# KiCad board [DFR1144][M027.00940](V1.0.0).kicad_pcb (continued)
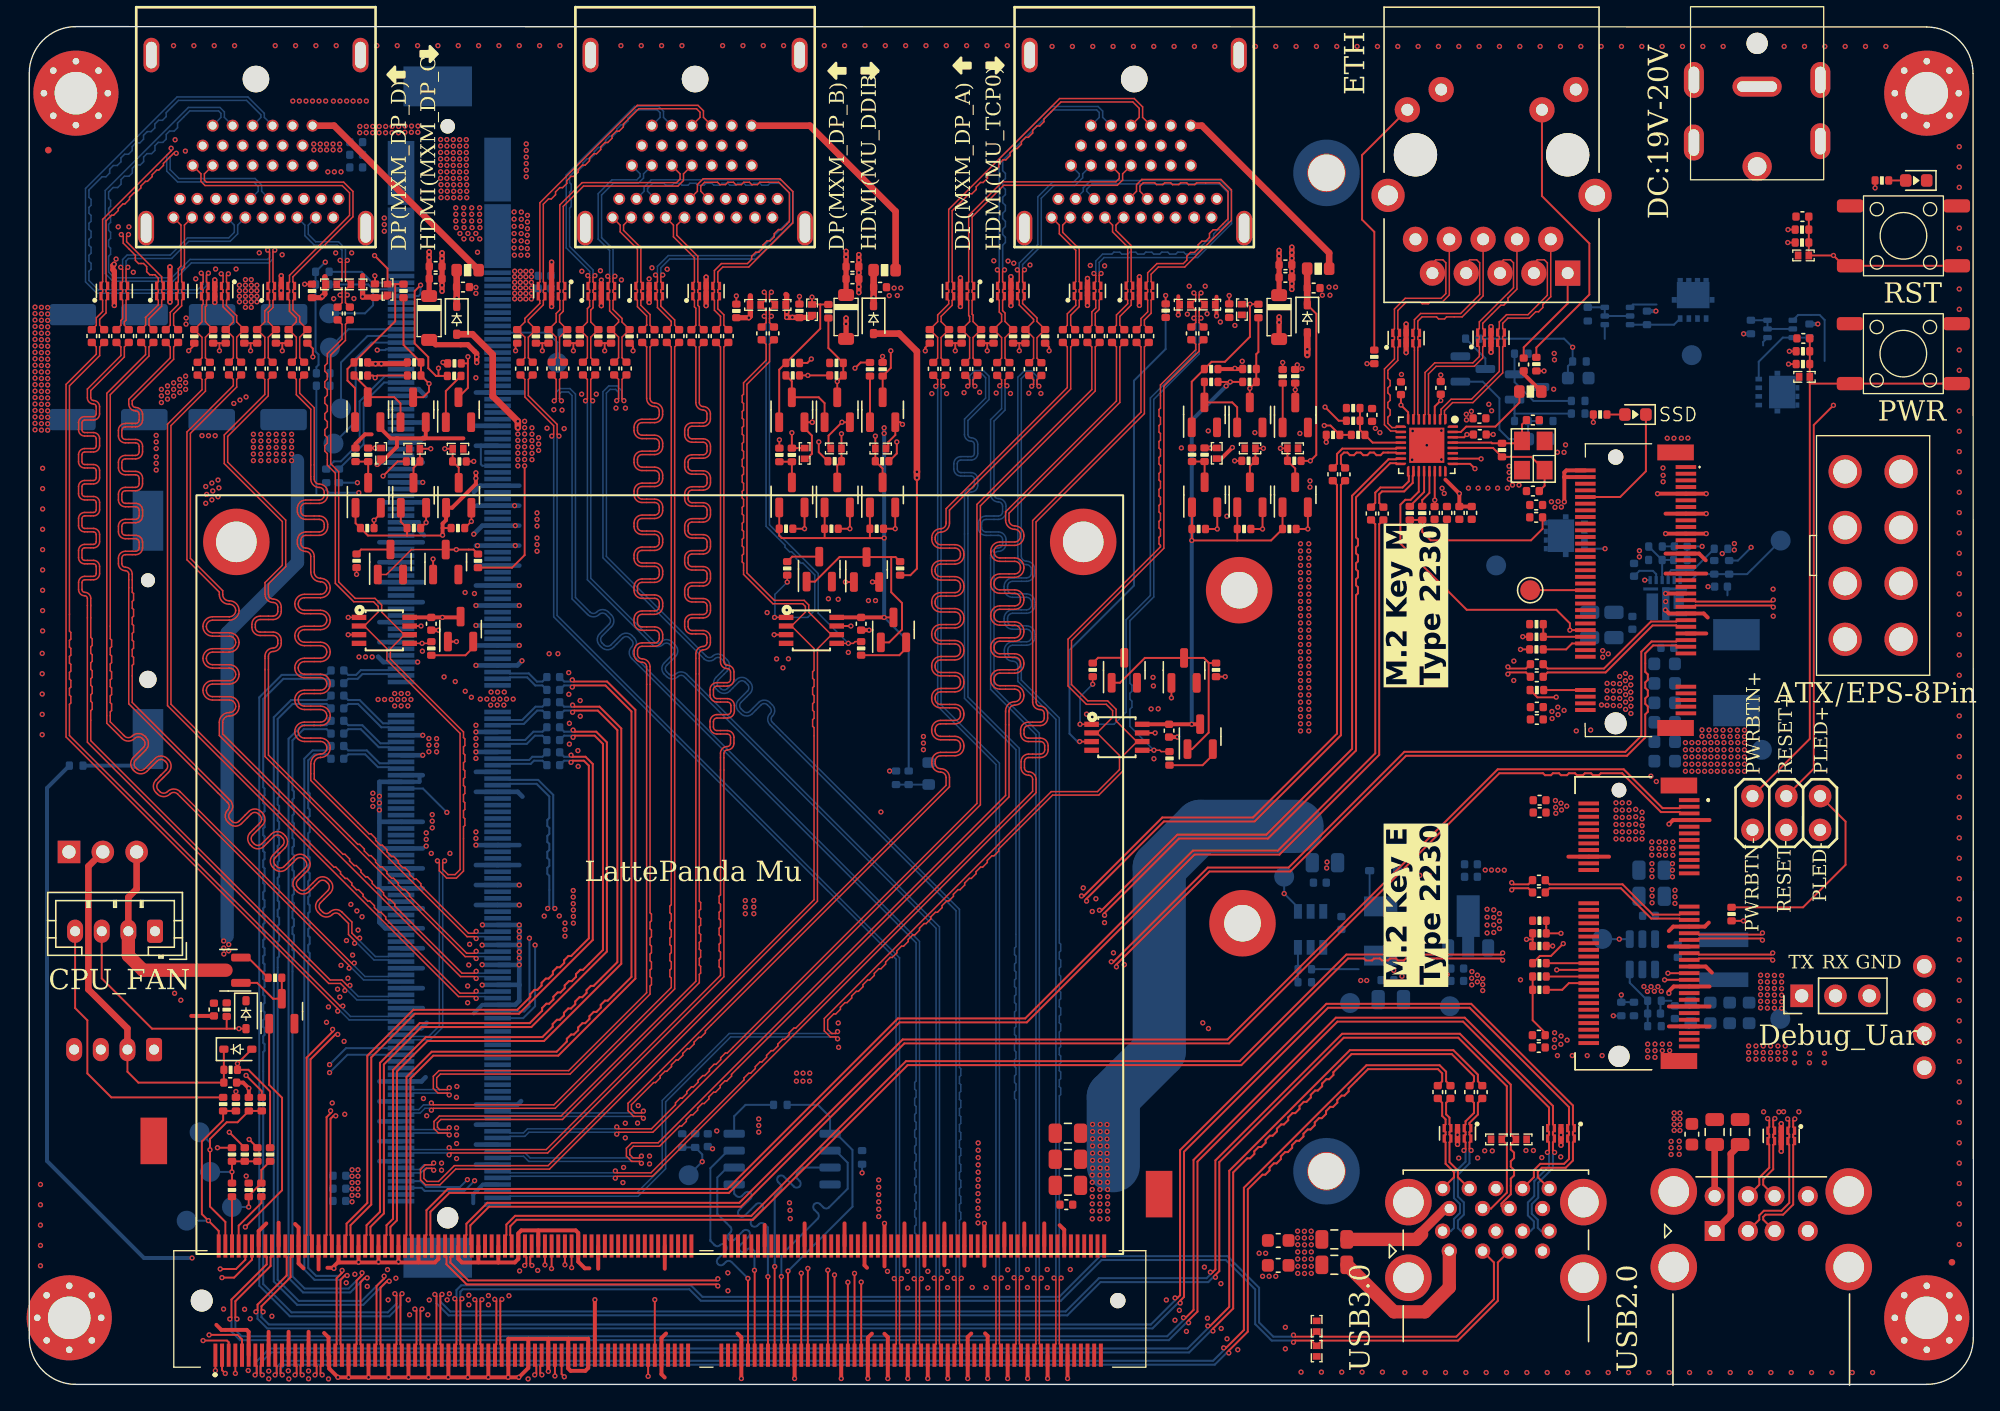
[diagram p0: board, top side]
## Footprints (pads in the part's own frame, mm; a bottom-side part is the same pattern mirrored in y, then rotated) (continued)
MXM
  round 1.6 hole 1.6 unplated: (77.22,-28.36)
  round 1.092 hole 1.092 unplated: (77.22,53.64)
  rect 2x0.35 smd: 1(73.47,42.64) 2(80.72,42.39) 3(73.47,42.14) 4(80.72,41.89) 5(73.47,41.64) 6(80.72,41.39) 7(73.47,41.14) 8(80.72,40.89) 9(73.47,40.64) 10(80.72,40.39) 11(73.47,40.14) 12(80.72,39.89) 13(73.47,39.64) 14(80.72,39.39) 15(73.47,39.14) 16(80.72,38.89) 17(73.47,38.64) 18(80.72,38.39) 19(73.47,38.14) 20(80.72,37.89) 21(73.47,37.64) 22(80.72,37.39) 23(73.47,37.14) 24(80.72,36.89) 25(73.47,36.64) 26(80.72,36.39) 27(73.47,36.14) 28(80.72,35.89) 29(73.47,35.64) 30(80.72,35.39) 31(73.47,35.14) 32(80.72,34.89) 33(73.47,34.64) 34(80.72,34.39) 35(73.47,34.14) 36(80.72,33.89) 37(73.47,33.64) 38(80.72,33.39) 39(73.47,33.14) 40(80.72,32.89) 41(73.47,32.64) 42(80.72,32.39) 43(73.47,32.14) 44(80.72,31.89) 45(73.47,31.64) 46(80.72,31.39) 47(73.47,31.14) 48(80.72,30.89) 49(73.47,30.64) 50(80.72,30.39) 51(73.47,30.14) 52(80.72,29.89) 53(73.47,29.64) 54(80.72,29.39) 55(73.47,29.14) 56(80.72,28.89) 57(73.47,28.64) 58(80.72,28.39) 59(73.47,28.14) 60(80.72,27.89) 61(73.47,27.64) 62(80.72,27.39) 63(73.47,27.14) 64(80.72,26.89) 65(73.47,26.64) 66(80.72,26.39) 67(73.47,26.14) 68(80.72,25.89) 69(73.47,25.64) 70(80.72,25.39) 71(73.47,25.14) 72(80.72,24.89) 73(73.47,24.64) 74(80.72,24.39) 75(73.47,24.14) 76(80.72,23.89) 77(73.47,23.64) 78(80.72,23.39) 79(73.47,23.14) 80(80.72,22.89) 81(73.47,22.64) 82(80.72,22.39) 83(73.47,22.14) 84(80.72,21.89) 85(73.47,21.64) 86(80.72,21.39) 87(73.47,21.14) 88(80.72,20.89) 89(73.47,20.64) 90(80.72,20.39) 91(73.47,20.14) 92(80.72,19.89) 93(73.47,19.64) 94(80.72,19.39) 95(73.47,19.14) 96(80.72,18.89) 97(73.47,18.64) 98(80.72,18.39) 99(73.47,18.14) 100(80.72,17.89) 101(73.47,17.64) 102(80.72,17.39) 103(73.47,17.14) 104(80.72,16.89) 105(73.47,16.64) 106(80.72,16.39) 107(73.47,16.14) 108(80.72,15.89) 109(73.47,15.64) 110(80.72,15.39) 111(73.47,15.14) 112(80.72,14.89) 113(73.47,14.64) 114(80.72,14.39) 115(73.47,14.14) 116(80.72,13.89) 117(73.47,13.64) 118(80.72,13.39) 119(73.47,13.14) 120(80.72,12.89) 121(73.47,12.64) 122(80.72,12.39) 123(73.47,12.14) 124(80.72,11.89) 125(73.47,11.64) 133(73.47,9.64) 134(80.72,9.39) 135(73.47,9.14) 136(80.72,8.89) 137(73.47,8.64) 138(80.72,8.39) 139(73.47,8.14) 140(80.72,7.89) 141(73.47,7.64) 142(80.72,7.39) 143(73.47,7.14) 144(80.72,6.89) 145(73.47,6.64) 146(80.72,6.39) 147(73.47,6.14) 148(80.72,5.89) 149(73.47,5.64) 150(80.72,5.39) 151(73.47,5.14) 152(80.72,4.89) 153(73.47,4.64) 154(80.72,4.39) 155(73.47,4.14) 156(80.72,3.89) 157(73.47,3.64) 158(80.72,3.39) 159(73.47,3.14) 160(80.72,2.89) 161(73.47,2.64) 162(80.72,2.39) 163(73.47,2.14) 164(80.72,1.89) 165(73.47,1.64) 166(80.72,1.39) 167(73.47,1.14) 168(80.72,0.89) 169(73.47,0.64) 170(80.72,0.39) 171(73.47,0.14) 172(80.72,-0.11) 173(73.47,-0.36) 174(80.72,-0.61) 175(73.47,-0.86) 176(80.72,-1.11) 177(73.47,-1.36) 178(80.72,-1.61) 179(73.47,-1.86) 180(80.72,-2.11) 181(73.47,-2.36) 182(80.72,-2.61) 183(73.47,-2.86) 184(80.72,-3.11) 185(73.47,-3.36) 186(80.72,-3.61) 187(73.47,-3.86) 188(80.72,-4.11) 189(73.47,-4.36) 190(80.72,-4.61) 191(73.47,-4.86) 192(80.72,-5.11) 193(73.47,-5.36) 194(80.72,-5.61) 195(73.47,-5.86) 196(80.72,-6.11) 197(73.47,-6.36) 198(80.72,-6.61) 199(73.47,-6.86) 200(80.72,-7.11) 201(73.47,-7.36) 202(80.72,-7.61) 203(73.47,-7.86) 204(80.72,-8.11) 205(73.47,-8.36) 206(80.72,-8.61) 207(73.47,-8.86) 208(80.72,-9.11) 209(73.47,-9.36) 210(80.72,-9.61) 211(73.47,-9.86) 212(80.72,-10.11) 213(73.47,-10.36) 214(80.72,-10.61) 215(73.47,-10.86) 216(80.72,-11.11) 217(73.47,-11.36) 218(80.72,-11.61) 219(73.47,-11.86) 220(80.72,-12.11) 221(73.47,-12.36) 222(80.72,-12.61) 223(73.47,-12.86) 224(80.72,-13.11) 225(73.47,-13.36) 226(80.72,-13.61) 227(73.47,-13.86) 228(80.72,-14.11) 229(73.47,-14.36) 230(80.72,-14.61) 231(73.47,-14.86) 232(80.72,-15.11) 233(73.47,-15.36) 234(80.72,-15.61) 235(73.47,-15.86) 236(80.72,-16.11) 237(73.47,-16.36) 238(80.72,-16.61) 239(73.47,-16.86) 240(80.72,-17.11) 241(73.47,-17.36) 242(80.72,-17.61) 243(73.47,-17.86) 244(80.72,-18.11) 245(73.47,-18.36) 246(80.72,-18.61) 247(73.47,-18.86) 248(80.72,-19.11) 249(73.47,-19.36) 250(80.72,-19.61) 251(73.47,-19.86) 252(80.72,-20.11) 253(73.47,-20.36) 254(80.72,-20.61) 255(73.47,-20.86) 256(80.72,-21.11) 257(73.47,-21.36) 258(80.72,-21.61) 259(73.47,-21.86) 260(80.72,-22.11) 261(73.47,-22.36) 262(80.72,-22.61) 263(73.47,-22.86) 264(80.72,-23.11) 265(73.47,-23.36) 266(80.72,-23.61) 267(73.47,-23.86) 268(80.72,-24.11) 269(73.47,-24.36) 270(80.72,-24.61) 271(73.47,-24.86) 272(80.72,-25.11) 273(73.47,-25.36) 274(80.72,-25.61) 275(73.47,-25.86) 276(80.72,-26.11) 277(73.47,-26.36) 278(80.72,-26.61) 279(73.47,-26.86) 280(80.72,-27.11) 281(73.47,-27.36)
  rect 2x4.8 smd: E1(73.47,50.39) E2(80.72,50.14) E3(73.47,45.39) E4(80.72,45.14)
  rect 5.15x3 smd: SH(77.97,-31.36) SH(77.97,56.64)
PCIe_M.2_Connectors_P=0.5mm_H=4.2mm_KeyE
  round 1.1 hole 1.1 unplated: (-0.75,-5.275)
  round 1.6 hole 1.6 unplated: (19.25,-5.275)
  rect 0.3x1.55 smd: 1(0,0) 2(0.25,-7.55) 3(0.5,0) 4(0.75,-7.55) 5(1,0) 6(1.25,-7.55) 7(1.5,0) 8(1.75,-7.55) 9(2,0) 10(2.25,-7.55) 11(2.5,0) 12(2.75,-7.55) 13(3,0) 14(3.25,-7.55) 15(3.5,0) 16(3.75,-7.55) 17(4,0) 18(4.25,-7.55) 19(4.5,0) 20(4.75,-7.55) 21(5,0) 22(5.25,-7.55) 23(5.5,0) 32(7.75,-7.55) 33(8,0) 34(8.25,-7.55) 35(8.5,0) 36(8.75,-7.55) 37(9,0) 38(9.25,-7.55) 39(9.5,0) 40(9.75,-7.55) 41(10,0) 42(10.25,-7.55) 43(10.5,0) 44(10.75,-7.55) 45(11,0) 46(11.25,-7.55) 47(11.5,0) 48(11.75,-7.55) 49(12,0) 50(12.25,-7.55) 51(12.5,0) 52(12.75,-7.55) 53(13,0) 54(13.25,-7.55) 55(13.5,0) 56(13.75,-7.55) 57(14,0) 58(14.25,-7.55) 59(14.5,0) 60(14.75,-7.55) 61(15,0) 62(15.25,-7.55) 63(15.5,0) 64(15.75,-7.55) 65(16,0) 66(16.25,-7.55) 67(16.5,0) 68(16.75,-7.55) 69(17,0) 70(17.25,-7.55) 71(17.5,0) 72(17.75,-7.55) 73(18,0) 74(18.25,-7.55) 75(18.5,0)
  rect 1.2x2.75 smd: MP1(-1.1,-0.775) MP2(19.6,-0.775)
PCIe_M.2_Connectors_P=0.5mm_H=4.2mm_KeyM
  round 1.15 hole 1.15 unplated: (-10,-1.7)
  round 1.65 hole 1.65 unplated: (10,-1.7)
  rect 0.3x1.55 smd: 1(-9.25,3.575) 2(-9,-3.975) 3(-8.75,3.575) 4(-8.5,-3.975) 5(-8.25,3.575) 6(-8,-3.975) 7(-7.75,3.575) 8(-7.5,-3.975) 9(-7.25,3.575) 10(-7,-3.975) 11(-6.75,3.575) 12(-6.5,-3.975) 13(-6.25,3.575) 14(-6,-3.975) 15(-5.75,3.575) 16(-5.5,-3.975) 17(-5.25,3.575) 18(-5,-3.975) 19(-4.75,3.575) 20(-4.5,-3.975) 21(-4.25,3.575) 22(-4,-3.975) 23(-3.75,3.575) 24(-3.5,-3.975) 25(-3.25,3.575) 26(-3,-3.975) 27(-2.75,3.575) 28(-2.5,-3.975) 29(-2.25,3.575) 30(-2,-3.975) 31(-1.75,3.575) 32(-1.5,-3.975) 33(-1.25,3.575) 34(-1,-3.975) 35(-0.75,3.575) 36(-0.5,-3.975) 37(-0.25,3.575) 38(0,-3.975) 39(0.25,3.575) 40(0.5,-3.975) 41(0.75,3.575) 42(1,-3.975) 43(1.25,3.575) 44(1.5,-3.975) 45(1.75,3.575) 46(2,-3.975) 47(2.25,3.575) 48(2.5,-3.975) 49(2.75,3.575) 50(3,-3.975) 51(3.25,3.575) 52(3.5,-3.975) 53(3.75,3.575) 54(4,-3.975) 55(4.25,3.575) 56(4.5,-3.975) 57(4.75,3.575) 58(5,-3.975) 67(7.25,3.575) 68(7.5,-3.975) 69(7.75,3.575) 70(8,-3.975) 71(8.25,3.575) 72(8.5,-3.975) 73(8.75,3.575) 74(9,-3.975) 75(9.25,3.575)
  rect 1.2x2.75 smd: MP1(-10.35,2.8) MP2(10.35,2.8)
PinHeader_1x03_P2.54mm_Vertical
  rect 1.7x1.7 hole 1: 1(0,0)
  oval 1.7x1.7 hole 1: 2(0,-2.54) 3(0,-5.08)
QFN-10_L3.0-W3.0-P0.45-TL_SILERGY
  rect 0.25x0.6 smd: 1(-1.125,1.3) 2(-0.675,1.3) 3(-0.225,1.3) 4(0.225,1.3) 5(0.675,1.3) 6(1.125,1.3)
  rect 1.12x0.225 smd: 7(1.088,0.637)
  rect 0.87x2 smd: 8(0.963,-0.7)
  rect 1.88x0.225 smd: 9(-0.712,0.637)
  rect 1.88x0.25 smd: 9(-0.708,-1.3)
  rect 0.555x2.45 smd: 9(-0.049,-0.475)
  rect 0.775x1.15 smd: 10(-1.015,-0.3)
QFN-32-1EP_4x4mm_P0.4mm_EP2.65x2.65mm
  rrect 1.07x1.07 smd: (-0.66,0.66) (-0.66,-0.66) (0.66,0.66) (0.66,-0.66)
  custom 0.129x0.129 smd: 1(-1.95,1.4) 8(-1.95,-1.4) 9(-1.4,-1.95) 16(1.4,-1.95) 17(1.95,-1.4) 24(1.95,1.4) 25(1.4,1.95) 32(-1.4,1.95)
  rrect 0.8x0.2 smd: 2(-1.95,1) 3(-1.95,0.6) 4(-1.95,0.2) 5(-1.95,-0.2) 6(-1.95,-0.6) 7(-1.95,-1) 18(1.95,-1) 19(1.95,-0.6) 20(1.95,-0.2) 21(1.95,0.2) 22(1.95,0.6) 23(1.95,1)
  rrect 0.2x0.8 smd: 10(-1,-1.95) 11(-0.6,-1.95) 12(-0.2,-1.95) 13(0.2,-1.95) 14(0.6,-1.95) 15(1,-1.95) 26(1,1.95) 27(0.6,1.95) 28(0.2,1.95) 29(-0.2,1.95) 30(-0.6,1.95) 31(-1,1.95)
  rect 2.65x2.65 smd: 33(0,0)
R_0402_1005Metric
  rrect 0.54x0.64 smd: 1(-0.51,0) 2(0.51,0)
R_0603_1608Metric
  rrect 0.8x0.95 smd: 1(-0.825,0) 2(0.825,0)
RJ45_UDE_RB1-125B8G1A
  round 3.25 hole 3.25 unplated: (0,-8.89) (11.43,-8.89)
  round 1.9 hole 0.9: L1(12.04,-12.27) L2(9.5,-13.79) L3(1.93,-12.27) L4(-0.61,-13.79) R2(1.27,-2.54) R3(2.54,0) R4(3.81,-2.54) R5(5.08,0) R6(6.35,-2.54) R7(7.62,0) R8(8.89,-2.54) R9(10.16,0) R10(11.43,-2.54)
  rect 1.9x1.9 hole 0.9: R1(0,0)
  round 2.5 hole 1.5: SH(-2.06,-5.84) SH(13.49,-5.84)
SIPJ2X3
  round 1.7 hole 0.9: 1(-2.54,-1.27) 2(0,-1.27) 3(2.54,-1.27) 4(-2.54,1.27) 5(0,1.27) 6(2.54,1.27)
SOIC-8_5.23x5.23mm_P1.27mm
  rrect 1.6x0.6 smd: 1(-3.6,1.905) 2(-3.6,0.635) 3(-3.6,-0.635) 4(-3.6,-1.905) 5(3.6,-1.905) 6(3.6,-0.635) 7(3.6,0.635) 8(3.6,1.905)
SOT-23
  rrect 1.475x0.6 smd: 1(-0.938,0.95) 2(-0.938,-0.95) 3(0.938,0)
SOT-23-THIN-6
  rect 1.1x0.6 smd: 1(1.35,-0.95) 2(1.35,0) 3(1.35,0.95) 4(-1.35,0.95) 5(-1.35,0) 6(-1.35,-0.95)
SOT-89-3
  rrect 1.3x0.9 smd: 1(-1.95,1.5) 3(-1.95,-1.5)
  custom 1.475x0.9 smd: 2(-1.863,0)
SOT-363_SC-70-6
  rrect 0.65x0.4 smd: 1(-0.95,0.65) 2(-0.95,0) 3(-0.95,-0.65) 4(0.95,-0.65) 5(0.95,0) 6(0.95,0.65)
SW_Push_6x6x6
  rrect 2x1 smd: 1(-4,2.25) 1(4,2.25) 2(-4,-2.25) 2(4,-2.25)
TestPoint_Pad_D1.5mm
  round 1.5 smd: 1(0,0)
TSOT-23-6
  rrect 1.325x0.6 smd: 1(-1.137,0.95) 2(-1.137,0) 3(-1.137,-0.95) 4(1.137,-0.95) 5(1.137,0) 6(1.137,0.95)
USB3_A_Molex_48406-0001_Horizontal_Stacked
  round 1.15 hole 0.7: 1(0,0) 2(2.5,0) 3(4.5,0) 4(7,0) 5(7.5,1.5) 6(5.5,1.5) 7(3.5,1.5) 8(1.5,1.5) 9(-0.5,1.5) 10(0,3.2) 11(2.5,3.2) 12(4.5,3.2) 13(7,3.2) 14(7.5,4.7) 15(5.5,4.7) 16(3.5,4.7) 17(1.5,4.7) 18(-0.5,4.7)
  round 3.5 hole 2.3: 19(-3.07,3.68) 19(-3.07,-2) 19(10.07,3.68) 19(10.07,-2)
USB_A_CUI_UJ2-ADH-TH_Horizontal_Stacked
  rect 1.5x1.5 hole 0.92: 1(0,0)
  round 1.5 hole 0.92: 2(0,-2.5) 3(0,-4.5) 4(0,-7) 5(2.62,0) 6(2.62,-2.5) 7(2.62,-4.5) 8(2.62,-7)
  round 3.5 hole 2.3: 9(-2.71,3.07) 9(-2.71,-10.07) 9(2.97,3.07) 9(2.97,-10.07)

## Nets
5V_HDMI_VCC: C9.1 C79.1 C114.1 D4.1 D19.1 D24.1 F1.1 F2.1 F6.1 R16.1 R19.1 R114.1 R117.1 R157.1 R160.1
+1V0: C19.2 C20.2 C21.2 C22.2 C26.2 C30.2 U5.3 U5.8 U5.22 U5.24 U5.30
+3V3: C23.2 C27.2 C31.2 C37.2 C38.2 C39.2 C40.2 C43.2 C44.2 C45.2 C46.2 C58.1 C60.2 C62.2 C64.1 C66.2 C68.2 C104.2 C105.2 C106.2 C127.2 C128.2 C129.2 D8.2 D28.2 D46.2 J5.2 J5.4 J5.12 J5.14 J5.16 J5.18 J5.70 J5.72 J5.74 J6.2 J6.4 J6.72 J6.74 J11.278 J11.280 L2.2 Q1.1 Q2.1 Q3.1 Q7.1 Q8.1 Q15.1 Q16.1 Q17.1 Q19.1 Q24.3 Q27.3 Q30.3 R4.1 R5.2 R6.1 R22.1 R23.1 R27.1 R28.1 R29.1 R38.2 R40.1 R41.1 R44.2 R45.2 R50.2 R54.2 R55.1 R64.1 R67.2 R69.2 R72.2 R75.2 R79.1 R80.1 R90.1 R91.1 R92.1 R93.1 R107.1 R109.2 R112.2 R120.1 R121.1 R149.1 R150.1 TP8.1 U5.11 U5.23 U5.32 U21.8 U22.8 U23.8
+3V3_ROM: C86.1 C130.1 C131.1 R3.2 R138.2 TP17.1 U9.3 U29.8
+5V: C55.2 C57.2 C59.2 C100.1 C101.1 C102.2 C103.2 C132.2 C146.2 C147.2 C166.2 C169.2 C173.2 C174.2 C175.1 D4.2 D19.2 D24.2 F3.1 F4.1 F5.1 F7.1 J11.1 J11.3 J11.5 J11.7 J11.9 L4.2 Q12.2 R77.2 R78.2 R127.1 R130.1 R133.1 TP7.1
+5V_FAN: C69.1 D14.1 J8.3 M1.2 Q12.3 R87.1
+12V_FAN: C160.2 C161.1 J8.1 L3.2 R66.1 TP20.1
GND: A1.11 A1.14 A1.17 A1.20 A1.23 A1.26 A1.29 A1.32 A1.35 A1.38 A1.41 A1.44 A1.47 A1.50 A1.53 A1.56 A1.59 A1.62 A1.65 A1.68 A1.71 A1.74 A1.77 A1.80 A1.83 A1.86 A1.89 A1.92 A1.95 A1.98 A1.101 A1.107 A1.110 A1.113 A1.116 A1.135 A1.136 A1.151 A1.158 A1.167 A1.170 A1.181 A1.182 A1.188 A1.189 A1.194 A1.195 A1.200 A1.201 A1.206 A1.207 A1.212 A1.213 A1.218 A1.219 A1.224 A1.225 A1.230 A1.231 A1.236 A1.237 A1.242 A1.243 A1.248 A1.249 A1.MP1 A1.MP2 BT1.2 C9.2 C19.1 C20.1 C21.1 C22.1 C23.1 C26.1 C27.1 C30.1 C31.1 C32.1 C33.1 C34.2 C37.1 C38.1 C39.1 C40.1 C43.1 C44.1 C45.1 C46.1 C47.2 C49.1 C50.1 C51.2 C52.2 C53.2 C54.2 C55.1 C57.1 C59.1 C60.1 C61.1 C62.1 C63.1 C64.2 C65.2 C66.1 C67.1 C68.1 C69.2 C70.2 C79.2 C81.1 C82.1 C84.2 C85.2 C86.2 C95.2 C96.2 C97.1 C98.1 C99.1 C100.2 C101.2 C102.1 C103.1 C104.1 C105.1 C106.1 C114.2 C125.1 C126.1 C127.1 C128.1 C129.1 C130.2 C131.2 C132.1 C141.2 C146.1 C147.1 C158.1 C159.1 C160.1 C161.2 C164.1 C165.2 C166.1 C167.1 C168.2 C173.1 C174.1 C175.2 D1.1 D2.1 D3.1 D5.1 D6.1 D7.1 D10.1 D11.1 D12.2 D13.1 D16.1 D17.1 D18.1 D21.1 D22.1 D23.1 D25.1 D26.1 D27.1 D33.1 D34.1 D35.1 D36.1 D43.1 D44.1 D45.1 H1.1 H2.1 H3.1 H4.1 H5.1 H6.1 H7.1 H8.1 H9.1 H10.1 J1.3 J2.4 J2.8 J2.9 J4.R10 J4.SH J5.1 J5.3 J5.9 J5.15 J5.21 J5.27 J5.33 J5.39 J5.45 J5.51 J5.57 J5.71 J5.73 J5.75 J5.MP1 J5.MP2 J6.1 J6.7 J6.18 J6.33 J6.39 J6.45 J6.51 J6.57 J6.63 J6.69 J6.75 J6.MP1 J6.MP2 J7.2 J7.3 J11.11 J11.13 J11.15 J11.17 J11.36 J11.37 J11.46 J11.47 J11.52 J11.53 J11.58 J11.59 J11.64 J11.65 J11.70 J11.71 J11.76 J11.77 J11.82 J11.83 J11.88 J11.89 J11.94 J11.95 J11.100 J11.101 J11.106 J11.107 J11.112 J11.113 J11.118 J11.119 J11.124 J11.125 J11.133 J11.134 J11.139 J11.140 J11.145 J11.146 J11.151 J11.152 J11.154 J11.157 J11.166 J11.173 J11.174 J11.179 J11.180 J11.185 J11.186 J11.191 J11.192 J11.197 J11.198 J11.203 J11.204 J11.209 J11.210 J11.215 J11.216 J11.221 J11.222 J11.228 J11.244 J11.250 J11.251 J11.256 J11.257 J11.262 J11.263 J11.268 J11.269 J11.275 J11.E3 J11.E4 J11.SH J13.4 J13.7 J13.13 J13.16 J13.19 J14.1 J14.2 J14.3 J14.4 JP3.1 JP3.2 JP3.3 M1.1 M2.1 M3.1 Q4.2 Q5.2 Q6.2 Q9.2 Q10.2 Q18.2 Q20.2 Q21.2 Q22.2 Q23.2 Q25.2 Q26.2 Q28.2 Q29.2 Q31.2 Q34.2 Q35.2 R1.2 R7.2 R13.2 R21.2 R24.2 R25.2 R26.2 R30.2 R36.2 R39.1 R42.1 R47.2 R52.2 R57.1 R60.1 R68.1 R73.2 R76.1 R81.2 R82.2 R88.1 R94.2 R108.2 R110.1 R111.1 R119.2 R122.2 R123.2 R124.2 R135.1 R139.1 R140.1 R141.1 R142.1 R143.1 R144.1 R146.1 R148.2 R151.2 R152.2 R153.2 R154.2 SW1.2 SW2.2 TH1.2 U1.3 U1.8 U2.3 U2.8 U3.3 U3.8 U4.3 U4.8 U5.33 U6.3 U6.8 U7.3 U7.8 U8.3 U9.1 U10.2 U11.D2 U11.D5 U11.D8 U11.D11 U11.D16 U11.D19 U11.H2 U11.H5 U11.H8 U11.H11 U11.H17 U11.SH U12.3 U12.8 U13.3 U13.8 U15.3 U15.8 U16.2 U17.3 U17.8 U18.3 U18.8 U19.3 U19.8 U20.3 U20.8 U21.4 U22.4 U23.4 U24.3 U24.8 U25.3 U25.8 U26.D2 U26.D5 U26.D8 U26.D11 U26.D16 U26.D19 U26.H2 U26.H5 U26.H8 U26.H11 U26.H17 U26.SH U27.3 U27.8 U28.3 U28.8 U29.4 U31.D2 U31.D5 U31.D8 U31.D11 U31.D16 U31.D19 U31.H2 U31.H5 U31.H8 U31.H11 U31.H17 U31.SH U32.9 Y1.2 Y1.4
+BATT: A1.115 R2.1
/Fan_Temp/FAN_1_PWM: A1.2 R79.2 R84.1 TP9.1
/Fan_Temp/FAN_1_TAC: A1.4 R81.1 R83.2 TP10.1
/Fan_Temp/FAN_2_PWM: A1.6 R136.1
/Fan_Temp/FAN_2_TAC: A1.8 R70.1
/Fan_Temp/TEMP: A1.9 R134.1
/Gigabit Ethernet/GbE_PCIe_CLK+: A1.94 U5.15
/Gigabit Ethernet/GbE_PCIe_CLK-: A1.96 U5.16
/Gigabit Ethernet/GbE_PCIe_RX+: A1.64 C29.2
/Gigabit Ethernet/GbE_PCIe_RX-: A1.66 C25.2
/Gigabit Ethernet/GbE_PCIe_TX+: A1.61 C28.2
/Gigabit Ethernet/GbE_PCIe_TX-: A1.63 C24.2
/Gigabit Ethernet/HSI+: C28.1 U5.13
/Gigabit Ethernet/HSI-: C24.1 U5.14
/Gigabit Ethernet/HSO+: C29.1 U5.17
/Gigabit Ethernet/HSO-: C25.1 U5.18
/Gigabit Ethernet/LED0_100: U5.27
/Gigabit Ethernet/LED1_1000: J4.L4 U5.26
/Gigabit Ethernet/LED2_ACT: J4.L2 U5.25
/Gigabit Ethernet/MDI0+: J4.R2 U5.1 U7.5 U7.6
/Gigabit Ethernet/MDI0-: J4.R3 U5.2 U7.4 U7.7
/Gigabit Ethernet/MDI1+: J4.R4 U5.4 U7.2 U7.9
/Gigabit Ethernet/MDI1-: J4.R5 U5.5 U7.1 U7.10
/Gigabit Ethernet/MDI2+: J4.R6 U5.6 U6.5 U6.6
/Gigabit Ethernet/MDI2-: J4.R7 U5.7 U6.4 U6.7
/Gigabit Ethernet/MDI3+: J4.R8 U5.9 U6.2 U6.9
/Gigabit Ethernet/MDI3-: J4.R9 U5.10 U6.1 U6.10
/Gigabit Ethernet/~{CLKREQ4}: A1.102 R106.2 R135.2
/HDMI+DPA/ACT_DONGLE_DET_DPA: Q23.1 Q24.1 Q25.3 R127.2
/HDMI+DPA/ACT_DONGLE_DET_DPA_N: Q25.1 R152.1 U21.3 U21.7 U31.D13
/HDMI+DPA/DPA_AUX+: C156.2 D44.2 R125.1 U21.1 U31.D15
/HDMI+DPA/DPA_AUX-: C157.2 D43.2 R126.1 U21.5 U31.D17
/HDMI+DPA/DPA_D0+: C148.2 U27.1 U27.10 U31.D1
/HDMI+DPA/DPA_D0-: C149.2 U27.2 U27.9 U31.D3
/HDMI+DPA/DPA_D1+: C150.2 U27.5 U27.6 U31.D4
/HDMI+DPA/DPA_D1-: C151.2 U27.4 U27.7 U31.D6
/HDMI+DPA/DPA_D2+: C152.2 U28.1 U28.10 U31.D7
/HDMI+DPA/DPA_D2-: C153.2 U28.2 U28.9 U31.D9
/HDMI+DPA/DPA_D3+: C154.2 U28.5 U28.6 U31.D10
/HDMI+DPA/DPA_D3-: C155.2 U28.4 U28.7 U31.D12
/HDMI+DPA/DPA_HPD: D45.2 Q35.1 R101.2 R151.1 U31.D18
/HDMI+DPA/LP_TCP_0_HPD: A1.187 Q1.2 R5.1
/HDMI+DPA/LP_TCP_0_SCL: A1.179 Q2.2 R6.2
/HDMI+DPA/LP_TCP_0_SDA: A1.177 Q3.2 R4.2
/HDMI+DPA/LP_TCP_0_TX0+: A1.247 C1.1
/HDMI+DPA/LP_TCP_0_TX0-: A1.245 C2.1
/HDMI+DPA/LP_TCP_0_TX1+: A1.241 C3.1
/HDMI+DPA/LP_TCP_0_TX1-: A1.239 C4.1
/HDMI+DPA/LP_TCP_0_TX2+: A1.235 C5.1
/HDMI+DPA/LP_TCP_0_TX2-: A1.233 C6.1
/HDMI+DPA/LP_TCP_0_TX3+: A1.229 C7.1
/HDMI+DPA/LP_TCP_0_TX3-: A1.227 C8.1
/HDMI+DPA/MXM_DPA_AUX_N: C157.1 J11.277 U21.6
/HDMI+DPA/MXM_DPA_AUX_P: C156.1 J11.279 U21.2
/HDMI+DPA/MXM_DPA_HPD: J11.276 Q34.3 R101.1 R148.1 R149.2
/HDMI+DPA/MXM_DPA_TX0_DN: C149.1 J11.253
/HDMI+DPA/MXM_DPA_TX0_DP: C148.1 J11.255
/HDMI+DPA/MXM_DPA_TX1_DN: C151.1 J11.259
/HDMI+DPA/MXM_DPA_TX1_DP: C150.1 J11.261
/HDMI+DPA/MXM_DPA_TX2_DN: C153.1 J11.265
/HDMI+DPA/MXM_DPA_TX2_DP: C152.1 J11.267
/HDMI+DPA/MXM_DPA_TX3_DN: C155.1 J11.271
/HDMI+DPA/MXM_DPA_TX3_DP: C154.1 J11.273
/HDMI+DPA/TMDS_0_CK+: C7.2 R9.1 U1.4 U1.7 U31.H10
/HDMI+DPA/TMDS_0_CK-: C8.2 R8.1 U1.5 U1.6 U31.H12
/HDMI+DPA/TMDS_0_D0+: C5.2 R11.1 U1.2 U1.9 U31.H7
/HDMI+DPA/TMDS_0_D0-: C6.2 R10.1 U1.1 U1.10 U31.H9
/HDMI+DPA/TMDS_0_D1+: C3.2 R15.1 U2.2 U2.9 U31.H4
/HDMI+DPA/TMDS_0_D1-: C4.2 R14.1 U2.1 U2.10 U31.H6
/HDMI+DPA/TMDS_0_D2+: C1.2 R18.1 U2.4 U2.7 U31.H1
/HDMI+DPA/TMDS_0_D2-: C2.2 R17.1 U2.5 U2.6 U31.H3
/HDMI+DPA/TMDS_0_HPD: D2.2 R12.2 U31.H19
/HDMI+DPA/TMDS_0_SCL: D1.2 Q2.3 R16.2 U31.H15
/HDMI+DPA/TMDS_0_SDA: D3.2 Q3.3 R19.2 U31.H16
/HDMI+DPB/ACT_DONGLE_DET_DPB: Q26.1 Q27.1 Q28.3 R130.2
/HDMI+DPB/ACT_DONGLE_DET_DPB_N: Q28.1 R25.1 U11.D13 U22.3 U22.7
/HDMI+DPB/DPB_AUX+: C18.2 D6.2 R128.1 U11.D15 U22.1
/HDMI+DPB/DPB_AUX-: C80.2 D5.2 R129.1 U11.D17 U22.5
/HDMI+DPB/DPB_D0+: C10.2 U3.1 U3.10 U11.D1
/HDMI+DPB/DPB_D0-: C11.2 U3.2 U3.9 U11.D3
/HDMI+DPB/DPB_D1+: C12.2 U3.5 U3.6 U11.D4
/HDMI+DPB/DPB_D1-: C13.2 U3.4 U3.7 U11.D6
/HDMI+DPB/DPB_D2+: C14.2 U4.1 U4.10 U11.D7
/HDMI+DPB/DPB_D2-: C15.2 U4.2 U4.9 U11.D9
/HDMI+DPB/DPB_D3+: C16.2 U4.5 U4.6 U11.D10
/HDMI+DPB/DPB_D3-: C17.2 U4.4 U4.7 U11.D12
/HDMI+DPB/DPB_HPD: D7.2 Q6.1 R24.1 R102.2 U11.D18
/HDMI+DPB/LP_DDIB_HPD: A1.183 Q15.2 R92.2
/HDMI+DPB/LP_DDIB_SCL: A1.171 Q16.2 R93.2
/HDMI+DPB/LP_DDIB_SDA: A1.169 Q17.2 R91.2
/HDMI+DPB/LP_DDIB_TX0+: A1.217 C71.1
/HDMI+DPB/LP_DDIB_TX0-: A1.215 C72.1
/HDMI+DPB/LP_DDIB_TX1+: A1.211 C73.1
/HDMI+DPB/LP_DDIB_TX1-: A1.209 C74.1
/HDMI+DPB/LP_DDIB_TX2+: A1.205 C75.1
/HDMI+DPB/LP_DDIB_TX2-: A1.203 C76.1
/HDMI+DPB/LP_DDIB_TX3+: A1.199 C77.1
/HDMI+DPB/LP_DDIB_TX3-: A1.197 C78.1
/HDMI+DPB/MXM_DPB_AUX_N: C80.1 J11.270 U22.6
/HDMI+DPB/MXM_DPB_AUX_P: C18.1 J11.272 U22.2
/HDMI+DPB/MXM_DPB_HPD: J11.274 Q5.3 R21.1 R22.2 R102.1
/HDMI+DPB/MXM_DPB_TX0_DN: C11.1 J11.246
/HDMI+DPB/MXM_DPB_TX0_DP: C10.1 J11.248
/HDMI+DPB/MXM_DPB_TX1_DN: C13.1 J11.252
/HDMI+DPB/MXM_DPB_TX1_DP: C12.1 J11.254
/HDMI+DPB/MXM_DPB_TX2_DN: C15.1 J11.258
/HDMI+DPB/MXM_DPB_TX2_DP: C14.1 J11.260
/HDMI+DPB/MXM_DPB_TX3_DN: C17.1 J11.264
/HDMI+DPB/MXM_DPB_TX3_DP: C16.1 J11.266
/HDMI+DPB/TMDS_1_CK+: C77.2 R96.1 U11.H10 U12.4 U12.7
/HDMI+DPB/TMDS_1_CK-: C78.2 R95.1 U11.H12 U12.5 U12.6
/HDMI+DPB/TMDS_1_D0+: C75.2 R98.1 U11.H7 U12.2 U12.9
/HDMI+DPB/TMDS_1_D0-: C76.2 R97.1 U11.H9 U12.1 U12.10
/HDMI+DPB/TMDS_1_D1+: C73.2 R156.1 U11.H4 U13.2 U13.9
/HDMI+DPB/TMDS_1_D1-: C74.2 R155.1 U11.H6 U13.1 U13.10
/HDMI+DPB/TMDS_1_D2+: C71.2 R159.1 U11.H1 U13.4 U13.7
/HDMI+DPB/TMDS_1_D2-: C72.2 R158.1 U11.H3 U13.5 U13.6
/HDMI+DPB/TMDS_1_HPD: D17.2 R99.2 U11.H19
/HDMI+DPB/TMDS_1_SCL: D16.2 Q16.3 R157.2 U11.H15
/HDMI+DPB/TMDS_1_SDA: D18.2 Q17.3 R160.2 U11.H16
/HDMI+DPD/ACT_DONGLE_DET_DPD: Q29.1 Q30.1 Q31.3 R133.2
/HDMI+DPD/ACT_DONGLE_DET_DPD_N: Q31.1 R123.1 U23.3 U23.7 U26.D13
/HDMI+DPD/DPD_AUX+: C123.2 D26.2 R131.1 U23.1 U26.D15
/HDMI+DPD/DPD_AUX-: C124.2 D25.2 R132.1 U23.5 U26.D17
/HDMI+DPD/DPD_D0+: C115.2 U19.4 U19.7 U26.D1
/HDMI+DPD/DPD_D0-: C116.2 U19.5 U19.6 U26.D3
/HDMI+DPD/DPD_D1+: C117.2 U19.1 U19.10 U26.D4
/HDMI+DPD/DPD_D1-: C118.2 U19.2 U19.9 U26.D6
/HDMI+DPD/DPD_D2+: C119.2 U20.4 U20.7 U26.D7
/HDMI+DPD/DPD_D2-: C120.2 U20.5 U20.6 U26.D9
/HDMI+DPD/DPD_D3+: C121.2 U20.1 U20.10 U26.D10
/HDMI+DPD/DPD_D3-: C122.2 U20.2 U20.9 U26.D12
/HDMI+DPD/DPD_HPD: D27.2 Q22.1 R103.2 R122.1 U26.D18
/HDMI+DPD/MXM_DPC_HPD: J11.234 Q7.2 R28.2
/HDMI+DPD/MXM_DPC_SCL: J11.225 Q8.2 R29.2
/HDMI+DPD/MXM_DPC_SDA: J11.223 Q19.2 R27.2
/HDMI+DPD/MXM_DPC_TX0+: C83.1 J11.201
/HDMI+DPD/MXM_DPC_TX0-: C107.1 J11.199
/HDMI+DPD/MXM_DPC_TX1+: C108.1 J11.207
/HDMI+DPD/MXM_DPC_TX1-: C109.1 J11.205
/HDMI+DPD/MXM_DPC_TX2+: C110.1 J11.213
/HDMI+DPD/MXM_DPC_TX2-: C111.1 J11.211
/HDMI+DPD/MXM_DPC_TX3+: C112.1 J11.219
/HDMI+DPD/MXM_DPC_TX3-: C113.1 J11.217
/HDMI+DPD/MXM_DPD_AUX_N: C124.1 J11.230 U23.6
/HDMI+DPD/MXM_DPD_AUX_P: C123.1 J11.232 U23.2
/HDMI+DPD/MXM_DPD_HPD: J11.236 Q21.3 R103.1 R119.1 R120.2
/HDMI+DPD/MXM_DPD_TX0_DN: C116.1 J11.206
/HDMI+DPD/MXM_DPD_TX0_DP: C115.1 J11.208
/HDMI+DPD/MXM_DPD_TX1_DN: C118.1 J11.212
/HDMI+DPD/MXM_DPD_TX1_DP: C117.1 J11.214
/HDMI+DPD/MXM_DPD_TX2_DN: C120.1 J11.218
/HDMI+DPD/MXM_DPD_TX2_DP: C119.1 J11.220
/HDMI+DPD/MXM_DPD_TX3_DN: C122.1 J11.224
/HDMI+DPD/MXM_DPD_TX3_DP: C121.1 J11.226
/HDMI+DPD/TMDS_2_CK+: C112.2 R32.1 U17.5 U17.6 U26.H10
/HDMI+DPD/TMDS_2_CK-: C113.2 R31.1 U17.4 U17.7 U26.H12
/HDMI+DPD/TMDS_2_D0+: C110.2 R34.1 U17.2 U17.9 U26.H7
/HDMI+DPD/TMDS_2_D0-: C111.2 R33.1 U17.1 U17.10 U26.H9
/HDMI+DPD/TMDS_2_D1+: C108.2 R113.1 U18.1 U18.10 U26.H4
/HDMI+DPD/TMDS_2_D1-: C109.2 R37.1 U18.2 U18.9 U26.H6
/HDMI+DPD/TMDS_2_D2+: C83.2 R116.1 U18.4 U18.7 U26.H1
/HDMI+DPD/TMDS_2_D2-: C107.2 R115.1 U18.5 U18.6 U26.H3
/HDMI+DPD/TMDS_2_HPD: D22.2 R35.2 U26.H19
/HDMI+DPD/TMDS_2_SCL: D21.2 Q8.3 R114.2 U26.H15
/HDMI+DPD/TMDS_2_SDA: D23.2 Q19.3 R117.2 U26.H16
/LattePanda Module/HSIO_0_TX+: A1.13 C142.1
/LattePanda Module/HSIO_0_TX-: A1.15 C143.1
/LattePanda Module/HSIO_1_TX+: A1.19 C144.1
/LattePanda Module/HSIO_1_TX-: A1.21 C145.1
/LattePanda Module/HSIO_2_RX+: A1.28 J5.43
/LattePanda Module/HSIO_2_RX-: A1.30 J5.41
/LattePanda Module/HSIO_2_TX+: A1.25 C35.1
/LattePanda Module/HSIO_2_TX-: A1.27 C36.1
/LattePanda Module/HSIO_3_RX+: A1.34 J6.41
/LattePanda Module/HSIO_3_RX-: A1.36 J6.43
/LattePanda Module/HSIO_3_TX+: A1.31 C41.1
/LattePanda Module/HSIO_3_TX-: A1.33 C42.1
/LattePanda Module/HSIO_8_RX+: A1.40 C88.1
/LattePanda Module/HSIO_8_RX-: A1.42 C87.1
/LattePanda Module/HSIO_8_TX+: A1.37 C134.1
/LattePanda Module/HSIO_8_TX-: A1.39 C133.1
/LattePanda Module/HSIO_9_RX+: A1.46 C90.1
/LattePanda Module/HSIO_9_RX-: A1.48 C89.1
/LattePanda Module/HSIO_9_TX+: A1.43 C136.1
/LattePanda Module/HSIO_9_TX-: A1.45 C135.1
/LattePanda Module/HSIO_10_RX+: A1.52 C92.1
/LattePanda Module/HSIO_10_RX-: A1.54 C91.1
/LattePanda Module/HSIO_10_TX+: A1.49 C138.1
/LattePanda Module/HSIO_10_TX-: A1.51 C137.1
/LattePanda Module/HSIO_11_RX+: A1.58 C94.1
/LattePanda Module/HSIO_11_RX-: A1.60 C93.1
/LattePanda Module/HSIO_11_TX+: A1.55 C140.1
/LattePanda Module/HSIO_11_TX-: A1.57 C139.1
/LattePanda Module/REFCLK0+: A1.85 J5.53
/LattePanda Module/REFCLK0-: A1.87 J5.55
/LattePanda Module/REFCLK2+: A1.97 J11.155
/LattePanda Module/REFCLK2-: A1.99 J11.153
/LattePanda Module/REFCLK3+: A1.88 J6.47
/LattePanda Module/REFCLK3-: A1.90 J6.49
/LattePanda Module/SOC_SMBCLK: A1.106 R105.1
/LattePanda Module/SOC_SMBDATA: A1.108 R104.1
/LattePanda Module/SUSCLK_WIFI: A1.131 R49.2 R53.2
/LattePanda Module/USB_2_P7+: A1.76 J6.3
/LattePanda Module/USB_2_P7-: A1.78 J6.5
/LattePanda Module/~{PWR_SW}: A1.1 R65.2
/M.2 E&M Key/CON_PCIE_TX_0+: C41.2 J6.35
/M.2 E&M Key/CON_PCIE_TX_0-: C42.2 J6.37
/M.2 E&M Key/CON_PCIE_TX_1+: C35.2 J5.49
/M.2 E&M Key/CON_PCIE_TX_1-: C36.2 J5.47
/MXM/PEX_RX0+: C88.2 J11.149
/MXM/PEX_RX0-: C87.2 J11.147
/MXM/PEX_RX1+: C90.2 J11.143
/MXM/PEX_RX1-: C89.2 J11.141
/MXM/PEX_RX2+: C92.2 J11.137
/MXM/PEX_RX2-: C91.2 J11.135
/MXM/PEX_RX3+: C94.2 J11.123
/MXM/PEX_RX3-: C93.2 J11.121
/MXM/PEX_STD_SW#: J11.19 R110.2 TP12.1
/MXM/PEX_TX0+: C134.2 J11.150
/MXM/PEX_TX0-: C133.2 J11.148
/MXM/PEX_TX1+: C136.2 J11.144
/MXM/PEX_TX1-: C135.2 J11.142
/MXM/PEX_TX2+: C138.2 J11.138
/MXM/PEX_TX2-: C137.2 J11.136
/MXM/PEX_TX3+: C140.2 J11.122
/MXM/PEX_TX3-: C139.2 J11.120
/MXM/PWR_LEVEL: J11.18 R107.2 R108.1 TP14.1
/PSU/PWR_EN: R63.2 R68.2 TP5.1 U10.4
/PSU/PWR_LED: JP3.6 R64.2
/PSU/PWR_SW: C51.1 D10.2 JP3.4 R65.1 R67.1 SW1.1
/PSU/RST_SW: C54.1 D13.2 JP3.5 R71.1 R72.1 SW2.1
/TH_PWM: J11.24 R137.1
/USB2.0×2 & USB3.0×2/CON_USB1_D_N: A1.79 J2.2 U15.2 U15.9
/USB2.0×2 & USB3.0×2/CON_USB1_D_P: A1.81 J2.3 U15.1 U15.10
/USB2.0×2 & USB3.0×2/CON_USB2_D_N: A1.72 J2.6 U15.5 U15.6
/USB2.0×2 & USB3.0×2/CON_USB2_D_P: A1.70 J2.7 U15.4 U15.7
/USB2.0×2 & USB3.0×2/CON_USB3_D_N: A1.73 D36.2 J13.2
/USB2.0×2 & USB3.0×2/CON_USB3_D_P: A1.75 D35.2 J13.3
/USB2.0×2 & USB3.0×2/CON_USB3_SSRX_N: A1.18 J13.5 U25.4 U25.7
/USB2.0×2 & USB3.0×2/CON_USB3_SSRX_P: A1.16 J13.6 U25.5 U25.6
/USB2.0×2 & USB3.0×2/CON_USB3_SSTX_N: C142.2 J13.8 U24.1 U24.10
/USB2.0×2 & USB3.0×2/CON_USB3_SSTX_P: C143.2 J13.9 U24.2 U24.9
/USB2.0×2 & USB3.0×2/CON_USB4_D_N: A1.67 D34.2 J13.11
/USB2.0×2 & USB3.0×2/CON_USB4_D_P: A1.69 D33.2 J13.12
/USB2.0×2 & USB3.0×2/CON_USB4_SSRX_N: A1.24 J13.14 U25.1 U25.10
/USB2.0×2 & USB3.0×2/CON_USB4_SSRX_P: A1.22 J13.15 U25.2 U25.9
/USB2.0×2 & USB3.0×2/CON_USB4_SSTX_N: C144.2 J13.17 U24.4 U24.7
/USB2.0×2 & USB3.0×2/CON_USB4_SSTX_P: C145.2 J13.18 U24.5 U24.6
/~{CLKREQ}: A1.100 R46.1 R51.1 R111.2
/~{PLT_RST}: A1.105 J5.50 J6.52 J11.156 U5.19
/~{PWR_LED}/~{PSON}: A1.5 J11.8 Q10.1 R20.1 R63.1 R118.1 R161.1 TP19.1 U16.4
/~{RST_SW}: A1.3 R71.2
/~{SLP_S4_N}: A1.7 R74.1
/~{WAKE}: A1.103 J6.55 R100.1
PWR_SRC: A1.250 A1.251 A1.252 A1.253 A1.254 A1.255 A1.256 A1.257 A1.258 A1.259 A1.260 C49.2 C50.2 C52.1 C53.1 C61.2 C63.2 C65.1 C67.2 C84.1 C85.1 C95.1 C96.1 C97.2 C98.2 C99.2 C164.2 C165.1 C167.2 C168.1 J11.E1 J11.E2 Q11.5 Q11.6 Q11.7 Q11.8 Q11.9 Q11.10 Q11.11 TP18.1 U9.2 U10.5 U16.5 U32.7 U32.8
Net-(A1-HPD_1): A1.185 R1.1
Net-(A1-SIO_UART_RX): A1.12 J1.2
Net-(A1-SIO_UART_TX): A1.10 J1.1
Net-(A1-SPI_CLK): A1.155 U29.6
Net-(A1-SPI_IO2): A1.161 U29.3
Net-(A1-SPI_IO3): A1.153 U29.7
Net-(A1-SPI_MISO/SPI_IO1): A1.163 U29.2
Net-(A1-SPI_MOSI/SPI_IO0): A1.159 U29.5
Net-(A1-~{BIOS_SEL}): A1.133 R3.1 R139.2 TP1.1
Net-(A1-~{SPI_CS0}): A1.165 R138.1 U29.1
Net-(BT1-+): BT1.1 R2.2
Net-(C169-Pad1): C169.1 R145.1
Net-(D8-K): C81.2 C82.2 D8.1 U11.D20
Net-(D9-A): D9.2 R50.1
Net-(D9-K): D9.1 J5.10
Net-(D11-A): D11.2 R69.1
Net-(D12-K): C170.1 D12.1 L3.1 U16.6
Net-(D14-A): D14.2 M1.3 R83.1 R87.2
Net-(D15-A): D15.2 M2.3 M3.3 R85.2 R89.2
Net-(D15-K): C70.1 D15.1 J8.2 M2.2 M3.2 R89.1
Net-(D28-K): C125.2 C126.2 D28.1 U26.D20
Net-(D46-K): C158.2 C159.2 D46.1 U31.D20
Net-(J2-VBUS1): F3.2 J2.1
Net-(J2-VBUS2): F7.2 J2.5
Net-(J4-CT): C34.1 J4.R1
Net-(J4-PadL1): J4.L1 R45.1
Net-(J4-PadL3): J4.L3 R44.1
Net-(J5-DEVSLP): J5.38 TP2.1
Net-(J5-PEDET): J5.69
Net-(J5-SUSCLK): J5.68 R49.1
Net-(J5-~{CLKREQ}): J5.52 R46.2 R47.1
Net-(J5-~{PEWAKE}): J5.54 R100.2
Net-(J6-SUSCLK): J6.50 R53.1
Net-(J6-~{CLKREQ0}): J6.53 R51.2 R52.1
Net-(J6-~{W_DISABLE1}): J6.56 R54.1
Net-(J6-~{W_DISABLE2}): J6.54 R55.2
Net-(J11-PWR_GOOD): J11.6 R109.1 TP11.1
Net-(J11-SMB_CLK): J11.34 R105.2
Net-(J11-SMB_DAT): J11.32 R104.2
Net-(J11-TH_ALERT#): J11.22 TP6.1
Net-(J11-TH_OVERT#): J11.20 TP13.1
Net-(J11-WAKE#): J11.4 R112.1
Net-(J13A-VBUS1): F4.2 J13.1
Net-(J13B-VBUS2): F5.2 J13.10
Net-(M1-PWM): M1.4 R84.2
Net-(M2-PWM): M2.4 M3.4 R86.2
Net-(Q1-D): Q1.3 R7.1 R12.1
Net-(Q4-D): Q4.3 R8.2 R9.2 R10.2 R11.2 R13.1 R14.2 R15.2 R17.2 R18.2
Net-(Q4-G): Q4.1 R20.2
Net-(Q5-G): Q5.1 Q6.3 R23.2
Net-(Q7-D): Q7.3 R30.1 R35.1
Net-(Q9-D): Q9.3 R62.1
Net-(Q9-G): C47.1 Q9.1 R59.1 R60.2
Net-(Q10-D): Q10.3 Q12.1 R77.1
Net-(Q11-G): C48.1 Q11.4 R61.1 R62.2
Net-(Q11-S_1): C48.2 Q11.1 Q11.2 Q11.3 Q13.1 Q13.2 Q13.3 Q14.1 Q14.2 Q14.3 Q33.4 Q37.4 R56.2 R58.2 R61.2 TP3.1
Net-(Q13-D_1): J7.1 Q13.5 Q13.6 Q13.7 Q13.8 Q13.9 Q13.10 Q13.11 Q33.1
Net-(Q13-G): Q13.4 Q33.3 R142.2
Net-(Q14-D_1): J14.5 J14.6 J14.7 J14.8 Q14.5 Q14.6 Q14.7 Q14.8 Q14.9 Q14.10 Q14.11 Q37.1
Net-(Q14-G): Q14.4 Q37.3 R144.2
Net-(Q15-D): Q15.3 R94.1 R99.1
Net-(Q18-D): Q18.3 R95.2 R96.2 R97.2 R98.2 R154.1 R155.2 R156.2 R158.2 R159.2
Net-(Q18-G): Q18.1 R161.2
Net-(Q20-D): Q20.3 R31.2 R32.2 R33.2 R34.2 R36.1 R37.2 R113.2 R115.2 R116.2
Net-(Q20-G): Q20.1 R118.2
Net-(Q21-G): Q21.1 Q22.3 R121.2
Net-(Q23-D): Q23.3 R125.2
Net-(Q24-S): Q24.2 R126.2
Net-(Q26-D): Q26.3 R128.2
Net-(Q27-S): Q27.2 R129.2
Net-(Q29-D): Q29.3 R131.2
Net-(Q30-S): Q30.2 R132.2
Net-(Q33A-B1): Q33.2 Q33.5 Q33.6 R141.2
Net-(Q34-G): Q34.1 Q35.3 R150.2
Net-(Q37A-B1): Q37.2 Q37.5 Q37.6 R143.2
Net-(R70-Pad2): R70.2 R82.1 R85.1 TP15.1
Net-(R134-Pad2): R90.2 R134.2 TH1.1
Net-(R136-Pad2): R80.2 R86.1 R136.2 R137.2 TP16.1
Net-(U5-CKXTAL1): C33.2 R43.2 U5.28 Y1.1
Net-(U5-CKXTAL2): C32.2 R43.1 U5.29 Y1.3
Net-(U5-CLKREQB): R38.1 R39.2 R106.1 U5.12
Net-(U5-ISOLATEB): R40.2 U5.20
Net-(U5-LANWAKEB): R41.2 U5.21
Net-(U5-RSET): R42.2 U5.31
Net-(U8-K): R58.1 R59.2 U8.1
Net-(U8-REF): R56.1 R57.2 U8.2
Net-(U10-BOOST): C56.2 U10.1
Net-(U10-FB): C58.2 R75.1 R76.2 U10.3
Net-(U10-SW): C56.1 L2.1 U10.6
Net-(U11-+5V): F6.2 U11.H18
Net-(U11-CONFIG2): R26.1 U11.D14
Net-(U16-CB): C170.2 U16.1
Net-(U16-FB): R66.2 R140.2 U16.3
Net-(U26-+5V): F2.2 U26.H18
Net-(U26-CONFIG2): R124.1 U26.D14
Net-(U31-+5V): F1.2 U31.H18
Net-(U31-CONFIG2): R153.1 U31.D14
Net-(U32-BS): C162.1 U32.6
Net-(U32-EN): R73.1 R74.2 TP4.1 U32.1
Net-(U32-FB): R78.1 R88.2 R145.2 U32.4
Net-(U32-ILIM): R146.2 U32.3
Net-(U32-LX): C162.2 L4.1 U32.10
Net-(U32-VCC): C141.1 U32.5

Pads without a net: A1 82 84 91 93 104 109 111 112 114 117 118 119 120 121 122 123 124 125 126 127 128 129 130 132 134 137 138 139 140 141 142 143 144 145 146 147 148 149 150 152 154 156 157 160 162 164 166 168 172 173 174 175 176 178 180 184 186 190 191 192 193 196 198 202 204 208 210 214 216 220 221 222 223 226 228 232 234 238 240 244 246; J5 5 6 7 8 11 13 17 19 20 22 23 24 25 26 28 29 30 31 32 34 35 36 37 40 42 44 46 48 56 58 67; J6 6 8 9 10 11 12 13 14 15 16 17 19 20 21 22 23 32 34 36 38 40 42 44 46 48 58 59 60 61 62 64 65 66 67 68 70 71 73; J11 2 10 12 14 16 21 23 25 26 27 28 29 30 31 33 35 38 39 40 41 42 43 44 45 48 49 50 51 54 55 56 57 60 61 62 63 66 67 68 69 72 73 74 75 78 79 80 81 84 85 86 87 90 91 92 93 96 97 98 99 102 103 104 105 108 109 110 111 114 115 116 117 158 159 160 161 162 163 164 165 167 168 169 170 171 172 175 176 177 178 181 182 183 184 187 188 189 190 193 194 195 196 200 202 227 229 231 233 235 237 238 239 240 241 242 243 245 247 249 281; U11 H13 H14; U26 H13 H14; U31 H13 H14; U32 2